# Altium PCB pcmcia68.PcbDoc
Units mil, origin at the board's own origin, x right, y up, seen from the top; angles counter-clockwise.
Board outline 4094.49 x 1850.39 mil, 4 copper layers (Top Layer, InternalPlane1, Mid-Layer 1, Bottom Layer); 1 components, 128 nets, 78 pads, 0 vias.
Unrouted connection lines stored in the file: 14.
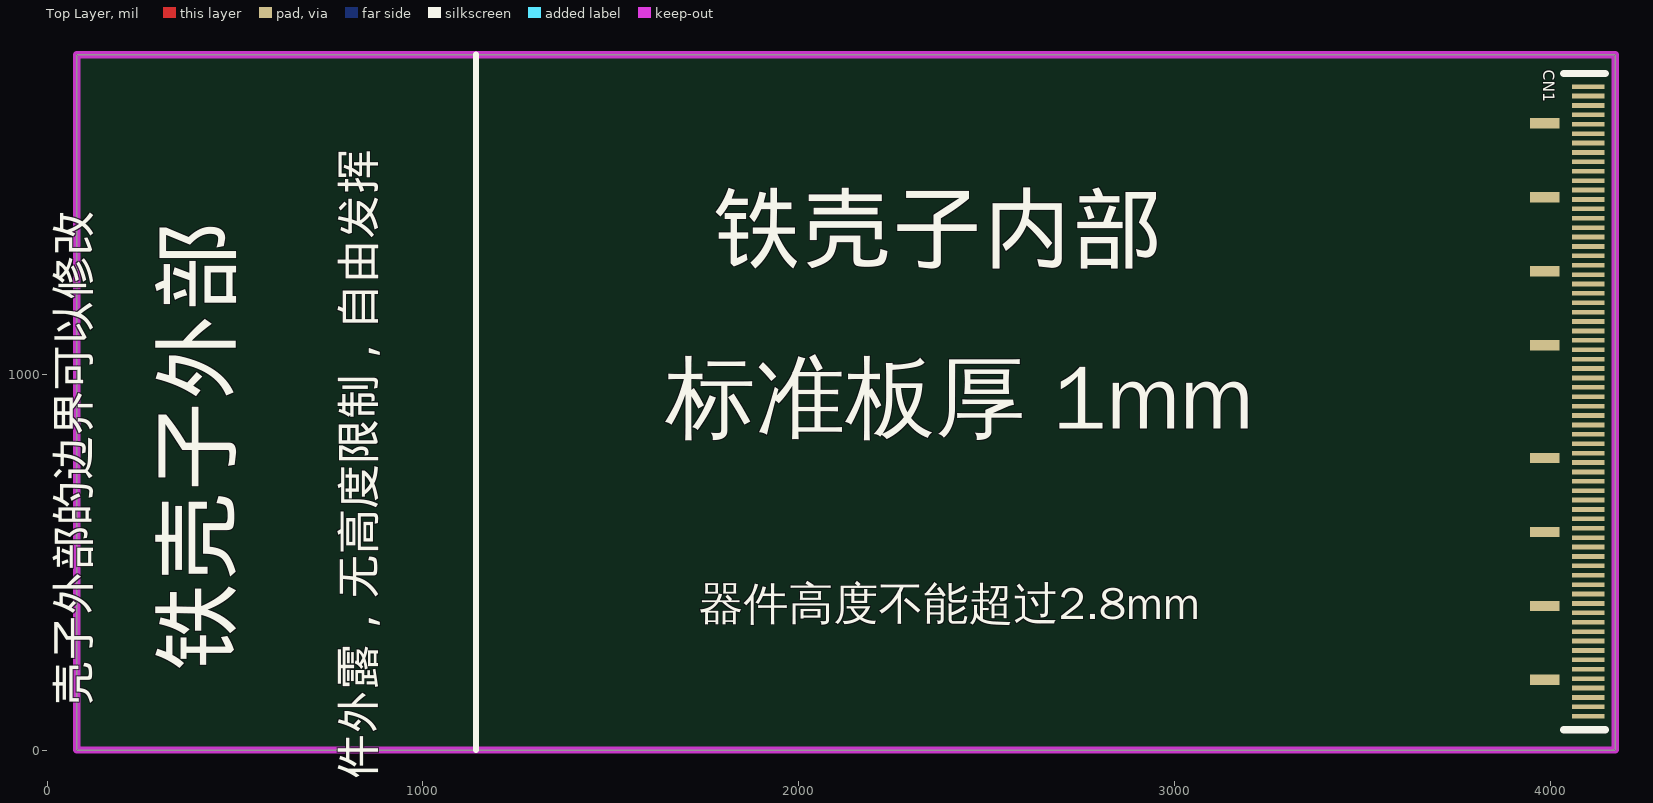
[diagram p0: Top Layer view]
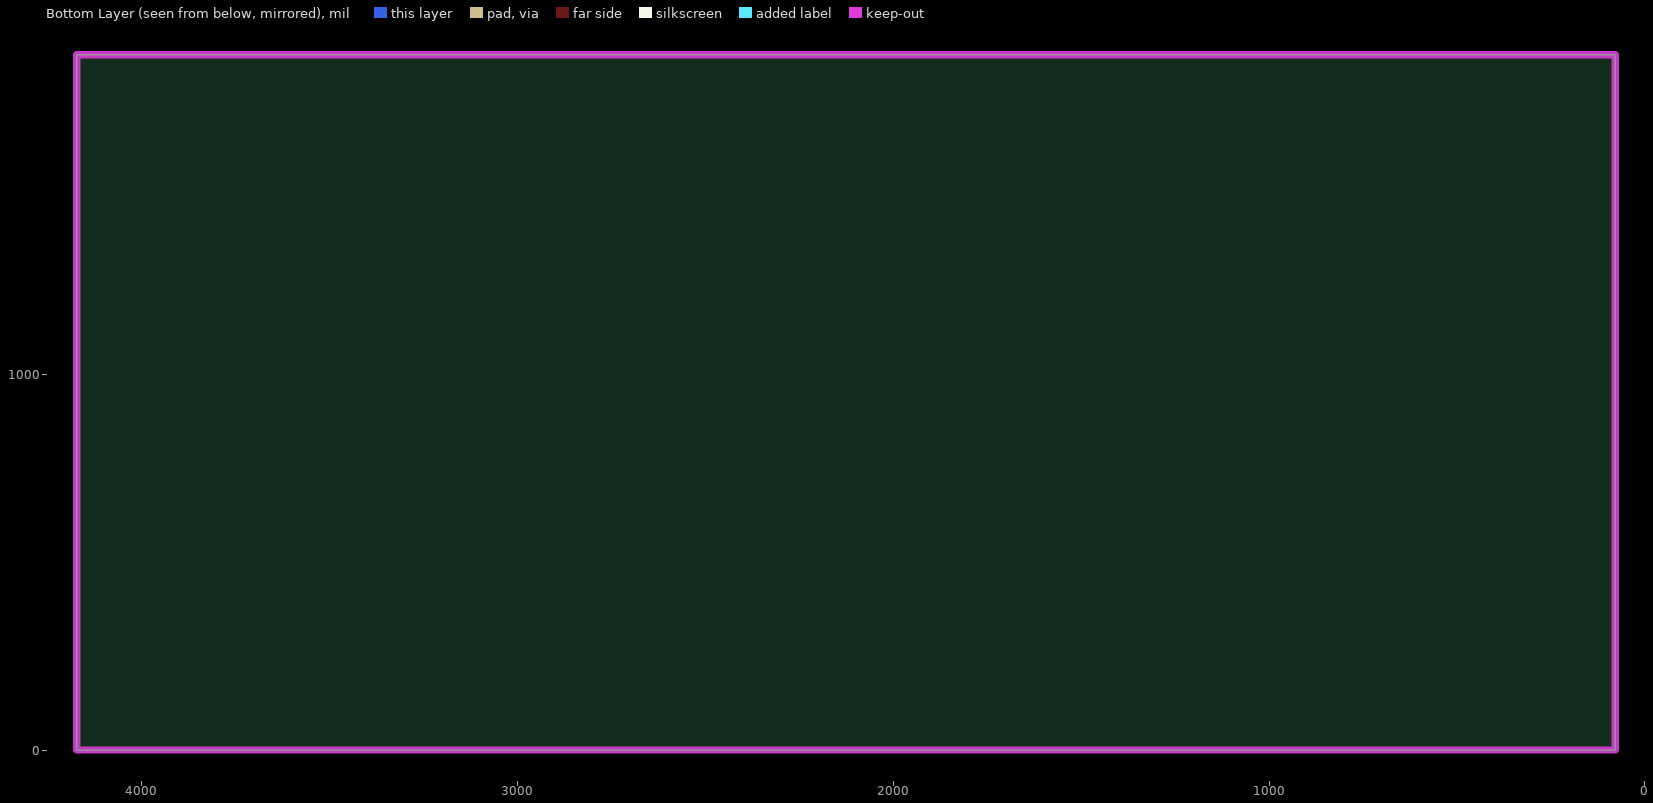
[diagram p1: Bottom Layer view, seen from below]
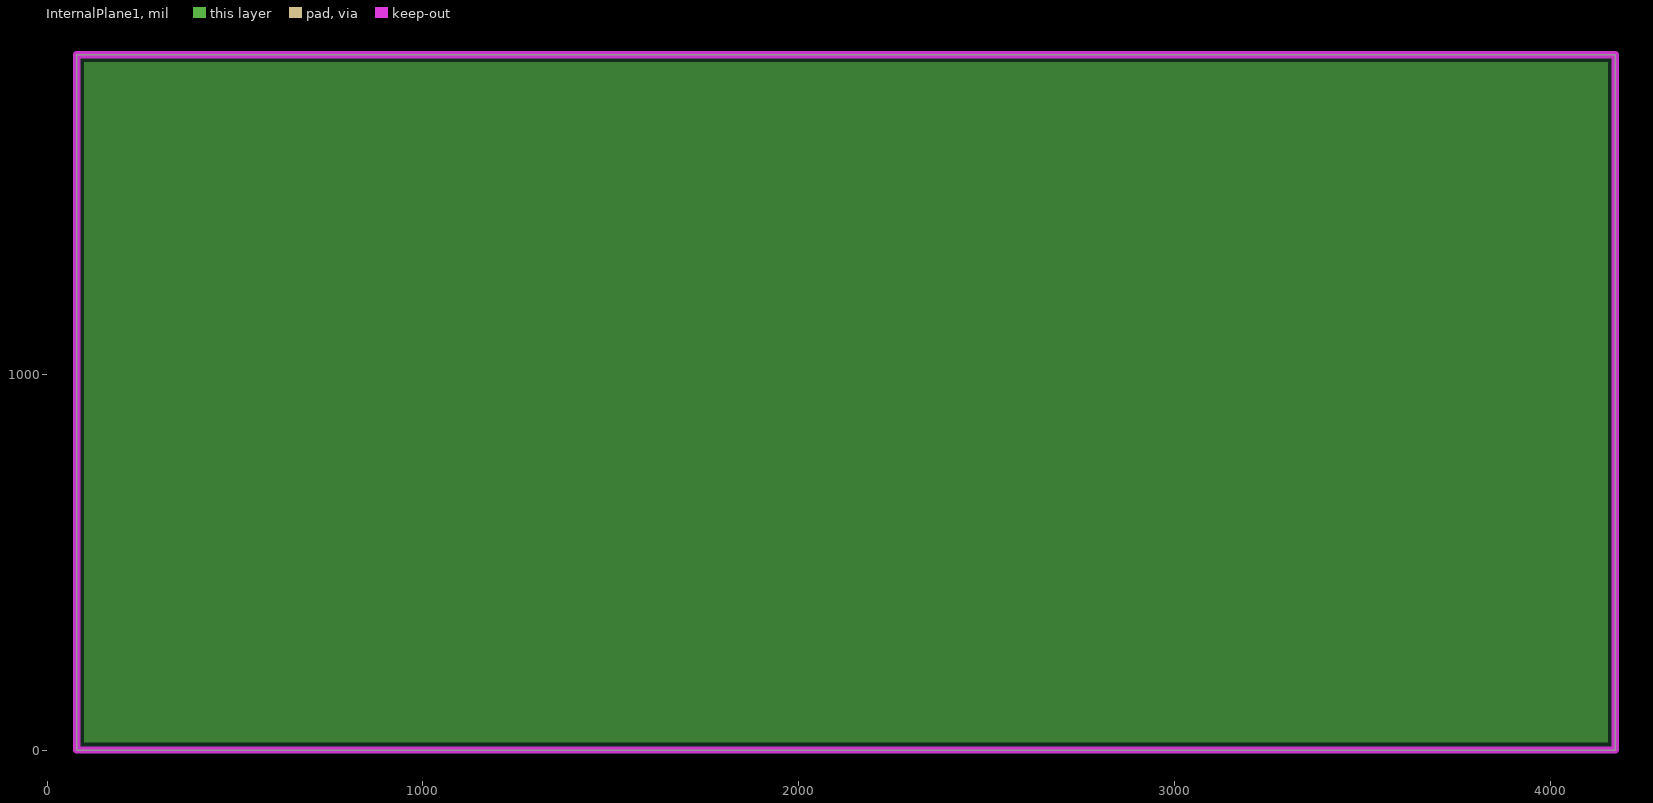
[diagram p2: InternalPlane1, clearances drawn from the general rule]

## Layer stack, top to bottom
Top Layer: signal copper 1.4
Dielectric: core 12.6, FR-4, Dk 4.8
InternalPlane1: plane copper 1.4, net (Multiple Nets)
Dielectric: prepreg 12.6, FR-4, Dk 4.8
Mid-Layer 1: signal copper 1.4
Dielectric: core 12.6, FR-4, Dk 4.8
Bottom Layer: signal copper 1.4

## Board outline
78.74,0 4173.23,0 4173.23,1850.39 78.74,1850.39

## Design rules (kind name [scope] priority, off if disabled: settings)
Clearance Clearance_1 [InPolygon] p1: gap=14
Clearance [All] p2: gap=6
FabricationTestPointUsage TestPointUsage [All] p1: valid=0 allowmultiple=FALSE
FabricationTestpoint Testpoint [(IsPad And (OnTopLayer Or OnBottomLayer))] p1: side=3 testpointundercomponent=TRUE minsize=40 maxsize=100 preferedsize=60 minholesize=0 maxholesize=40 preferedholesize=32 testpointgrid=1 allowsidetop=TRUE allowsidebottom=TRUE usegrid=TRUE gridtolerance=0.01
HoleSize [All] p1: absolutevalues=TRUE maxlimit=787.4 minlimit=11.81 maxpercent=80.000 minpercent=20.000
HoleToHoleClearance [All] p1: gap=0 allowstackedmicrovias=TRUE
MinimumSolderMaskSliver [All] p1: minsoldermaskwidth=0
PlaneClearance [All] p1: clearance=15.75
PlaneConnect [All] p1: planeconnectstyle=Direct reliefexpansion=11.81 reliefentries=4 reliefconductorwidth=11.81 reliefairgap=11.81
PolygonConnect [All] p1: connectstyle=Relief reliefconductorwidth=11.81 reliefentries=4 polygonreliefangle="90 Angle" airgapwidth=11.81
RoutingVias [All] p1: holewidth=19.68 width=51.18 viastyle="Through Hole" minholewidth=11.81 minwidth=19.68 maxholewidth=393.7 maxwidth=787.4
SilkToSilkClearance [All] p1: silktosilkclearance=0
SilkToSolderMaskClearance SilkscreenOverComponentPads [IsPad] p1: minsilkscreentomaskgap=0 clearancetoexposedcopper=TRUE
SolderMaskExpansion [All] p1: expansion=4
Width [All] p1: maxlimit=200 minlimit=6 preferedwidth=10
19 further rules are at their usual default settings.

## Components (designator, comment, footprint, x,y, rotation, side; value= is the part's Value field where it differs from the comment)
CN1 "PCMCIA68" PCMCIA_68pin_F 4101.22,1765 r0 top locked

## Footprints (in the part's own frame and the unit in brackets; to place one, negate y for a bottom-side part, rotate by r counter-clockwise, add the part's x,y. Pads: shape width x height; smd on the part's side, far side on the other; paste and mask are expansions set on the pad)
PCMCIA_68pin_F [mm]
  rect 2x0.7 smd: 1(-2.946,-40.093) 1(-2.946,-35.093) 1(-2.946,-30.093) 1(-2.946,-25.093) 1(-2.946,-17.473) 1(-2.946,-12.473) 1(-2.946,-7.473) 1(-2.946,-2.473)
  rect 2.2x0.318 smd: 1(0,0) 1(0,0) 2(0,-1.27) 3(0,-2.54) 4(0,-3.81) 5(0,-5.08) 6(0,-6.35) 7(0,-7.62) 8(0,-8.89) 9(0,-10.16) 10(0,-11.43) 11(0,-12.7) 12(0,-13.97) 13(0,-15.24) 14(0,-16.51) 15(0,-17.78) 16(0,-19.05) 17(0,-20.32) 18(0,-21.59) 19(0,-22.86) 20(0,-24.13) 21(0,-25.4) 22(0,-26.67) 23(0,-27.94) 24(0,-29.21) 25(0,-30.48) 26(0,-31.75) 27(0,-33.02) 28(0,-34.29) 29(0,-35.56) 30(0,-36.83) 31(0,-38.1) 32(0,-39.37) 33(0,-40.64) 34(0,-41.91) 35(0,-0.635) 35(0,-0.635) 36(0,-1.905) 37(0,-3.175) 38(0,-4.445) 39(0,-5.715) 40(0,-6.985) 41(0,-8.255) 42(0,-9.525) 43(0,-10.795) 44(0,-12.065) 45(0,-13.335) 46(0,-14.605) 47(0,-15.875) 48(0,-17.145) 49(0,-18.415) 50(0,-19.685) 51(0,-20.955) 52(0,-22.225) 53(0,-23.495) 54(0,-24.765) 55(0,-26.035) 56(0,-27.305) 57(0,-28.575) 58(0,-29.845) 59(0,-31.115) 60(0,-32.385) 61(0,-33.655) 62(0,-34.925) 63(0,-36.195) 64(0,-37.465) 65(0,-38.735) 66(0,-40.005) 67(0,-41.275) 68(0,-42.545)
  silkscreen extent -1.68,-43.46 1.14,0.89

## Nets (pads, with @x,y where several pads share a name; then routed paths per layer and width w, separated by ;. In a path a pad name is that pad's centre, name@x,y a point inside that pad or via, vN(x,y) a via of type N, cw(c..) or ccw(c..) an arc to the next point about the centre after c; other vN are vias at no path point)
+5V: CN1.17 CN1.51
BUFFER_A0: 
BUFFER_A1: 
BUFFER_A2: 
BUFFER_A3: 
BUFFER_A4: 
BUFFER_A5: 
BUFFER_A6: 
BUFFER_A7: 
BUFFER_A8: 
BUFFER_A9: 
BUFFER_A10: 
BUFFER_A11: 
BUFFER_A12: 
BUFFER_A13: 
BUFFER_A14: 
BUFFER_CS#: 
BUFFER_D0: 
BUFFER_D1: 
BUFFER_D2: 
BUFFER_D3: 
BUFFER_D4: 
BUFFER_D5: 
BUFFER_D6: 
BUFFER_D7: 
BUFFER_OE#: 
BUFFER_WE#: 
CARDBUS_NCE1: CN1.7
CARDBUS_NCE2: CN1.42
CARDBUS_NINPACK: CN1.60
CARDBUS_NIOIS16: CN1.33
CARDBUS_NIORD: CN1.44
CARDBUS_NIOWR: CN1.45
CARDBUS_NIREQ: CN1.16
CARDBUS_NOE: CN1.9
CARDBUS_NREG: CN1.61
CARDBUS_NROMRD: 
CARDBUS_NROMS: 
CARDBUS_NWAIT: CN1.59
CARDBUS_NWE: CN1.15
CARDBUS_PA0: CN1.29
CARDBUS_PA1: CN1.28
CARDBUS_PA2: CN1.27
CARDBUS_PA3: CN1.26
CARDBUS_PA4: CN1.25
CARDBUS_PA5: CN1.24
CARDBUS_PA6: CN1.23
CARDBUS_PA7: CN1.22
CARDBUS_PA8: CN1.12
CARDBUS_PA9: CN1.11
CARDBUS_PA10: CN1.8
CARDBUS_PA11: CN1.10
CARDBUS_PA12: CN1.21
CARDBUS_PA13: CN1.13
CARDBUS_PA14: CN1.14
CARDBUS_PA15: CN1.20
CARDBUS_PA16: CN1.19
CARDBUS_PA17: CN1.46
CARDBUS_PA18: CN1.47
CARDBUS_PA19: CN1.48
CARDBUS_PA20: CN1.49
CARDBUS_PA21: CN1.50
CARDBUS_PA22: CN1.53
CARDBUS_PA23: CN1.54
CARDBUS_PA24: CN1.55
CARDBUS_PA25: CN1.56
CARDBUS_PD0: CN1.30
CARDBUS_PD1: CN1.31
CARDBUS_PD2: CN1.32
CARDBUS_PD3: CN1.2
CARDBUS_PD4: CN1.3
CARDBUS_PD5: CN1.4
CARDBUS_PD6: CN1.5
CARDBUS_PD7: CN1.6
CARDBUS_PD8: CN1.64
CARDBUS_PD9: CN1.65
CARDBUS_PD10: CN1.66
CARDBUS_PD11: CN1.37
CARDBUS_PD12: CN1.38
CARDBUS_PD13: CN1.39
CARDBUS_PD14: CN1.40
CARDBUS_PD15: CN1.41
CARDBUS_RESET: CN1.58
CARDBUS_ROMAD: 
ETH_LEDL: 
ETH_LEDTR: 
ETH_RD+: 
ETH_RD+_F: 
ETH_RD-: 
ETH_RD-_F: 
ETH_TD+: 
ETH_TD+_F: 
ETH_TD-: 
ETH_TD-_F: 
FLASH_RESET: 
GND: CN1.1 CN1.34 CN1.35 CN1.36 CN1.67 CN1.68
GND_SHELL: 
NetC6_1: 
NetC6_2: 
NetC7_1: 
NetC7_2: 
NetC15_2: 
NetC16_2: 
NetC18_2: 
NetCN2_1: 
NetCN2_2: 
NetCN2_3: 
NetCN2_4: 
NetCN2_6: 
NetD3_1: 
NetD4_1: 
NetR4_1: 
NetR6_1: 
NetR7_1: 
NetR8_1: 
NetR9_1: 
NetR11_1: 
NetR14_1: 
NetRS1_1: 
NetRS1_2: 
NetRS1_3: 
NetRS1_4: 
NetRS1_5: 
NetRS1_6: 
NetRS1_7: 
NetRS1_8: 
OSC_IN: 
PGND: 
pads on no net: CN1.18 CN1.43 CN1.52 CN1.57 CN1.62 CN1.63

## Polygon pours and split planes (outlines as drawn)
PGND on InternalPlane1 (split plane): 4153.13,20.1 98.84,20.1 98.84,1830.3 4153.13,1830.3

## Keep-outs
Keep-Out Layer:
  the board outline again, w19.68

## Silkscreen, mask and mechanical layers (free items; w line width, h text height)
Top Overlay:
  lines w15.75: 1141.73,0 1141.73,1850.39
  text "铁壳子内部" at 1770.67,1244.09 h300
  text "标准板厚 1mm" at 1646.65,797.24 h300
  text "器件高度不能超过2.8mm" at 1734.25,318.9 h150
  text "铁壳子外部" at 539.37,208.66 h300 r90
  text "壳子外部的边界可以修改" at 141.73,118.11 h150 r90
  text "原件外露，无高度限制，自由发挥" at 900.59,-196.85 h150 r90